# Altium PCB PCB_ovladaci_karta.PcbDoc (part 2 of 4)
Units mm, origin at the board's own origin, x right, y up, seen from the top; angles counter-clockwise.
Board outline 99.2 x 100 mm, 6 copper layers (Top Layer, Inner Layer 2(GND), Inner Layer 3, Inner Layer 4, Inner Layer 5, Bottom Layer 1), stack 1.548 mm thick; 236 components, 248 nets, 895 pads, 601 vias.
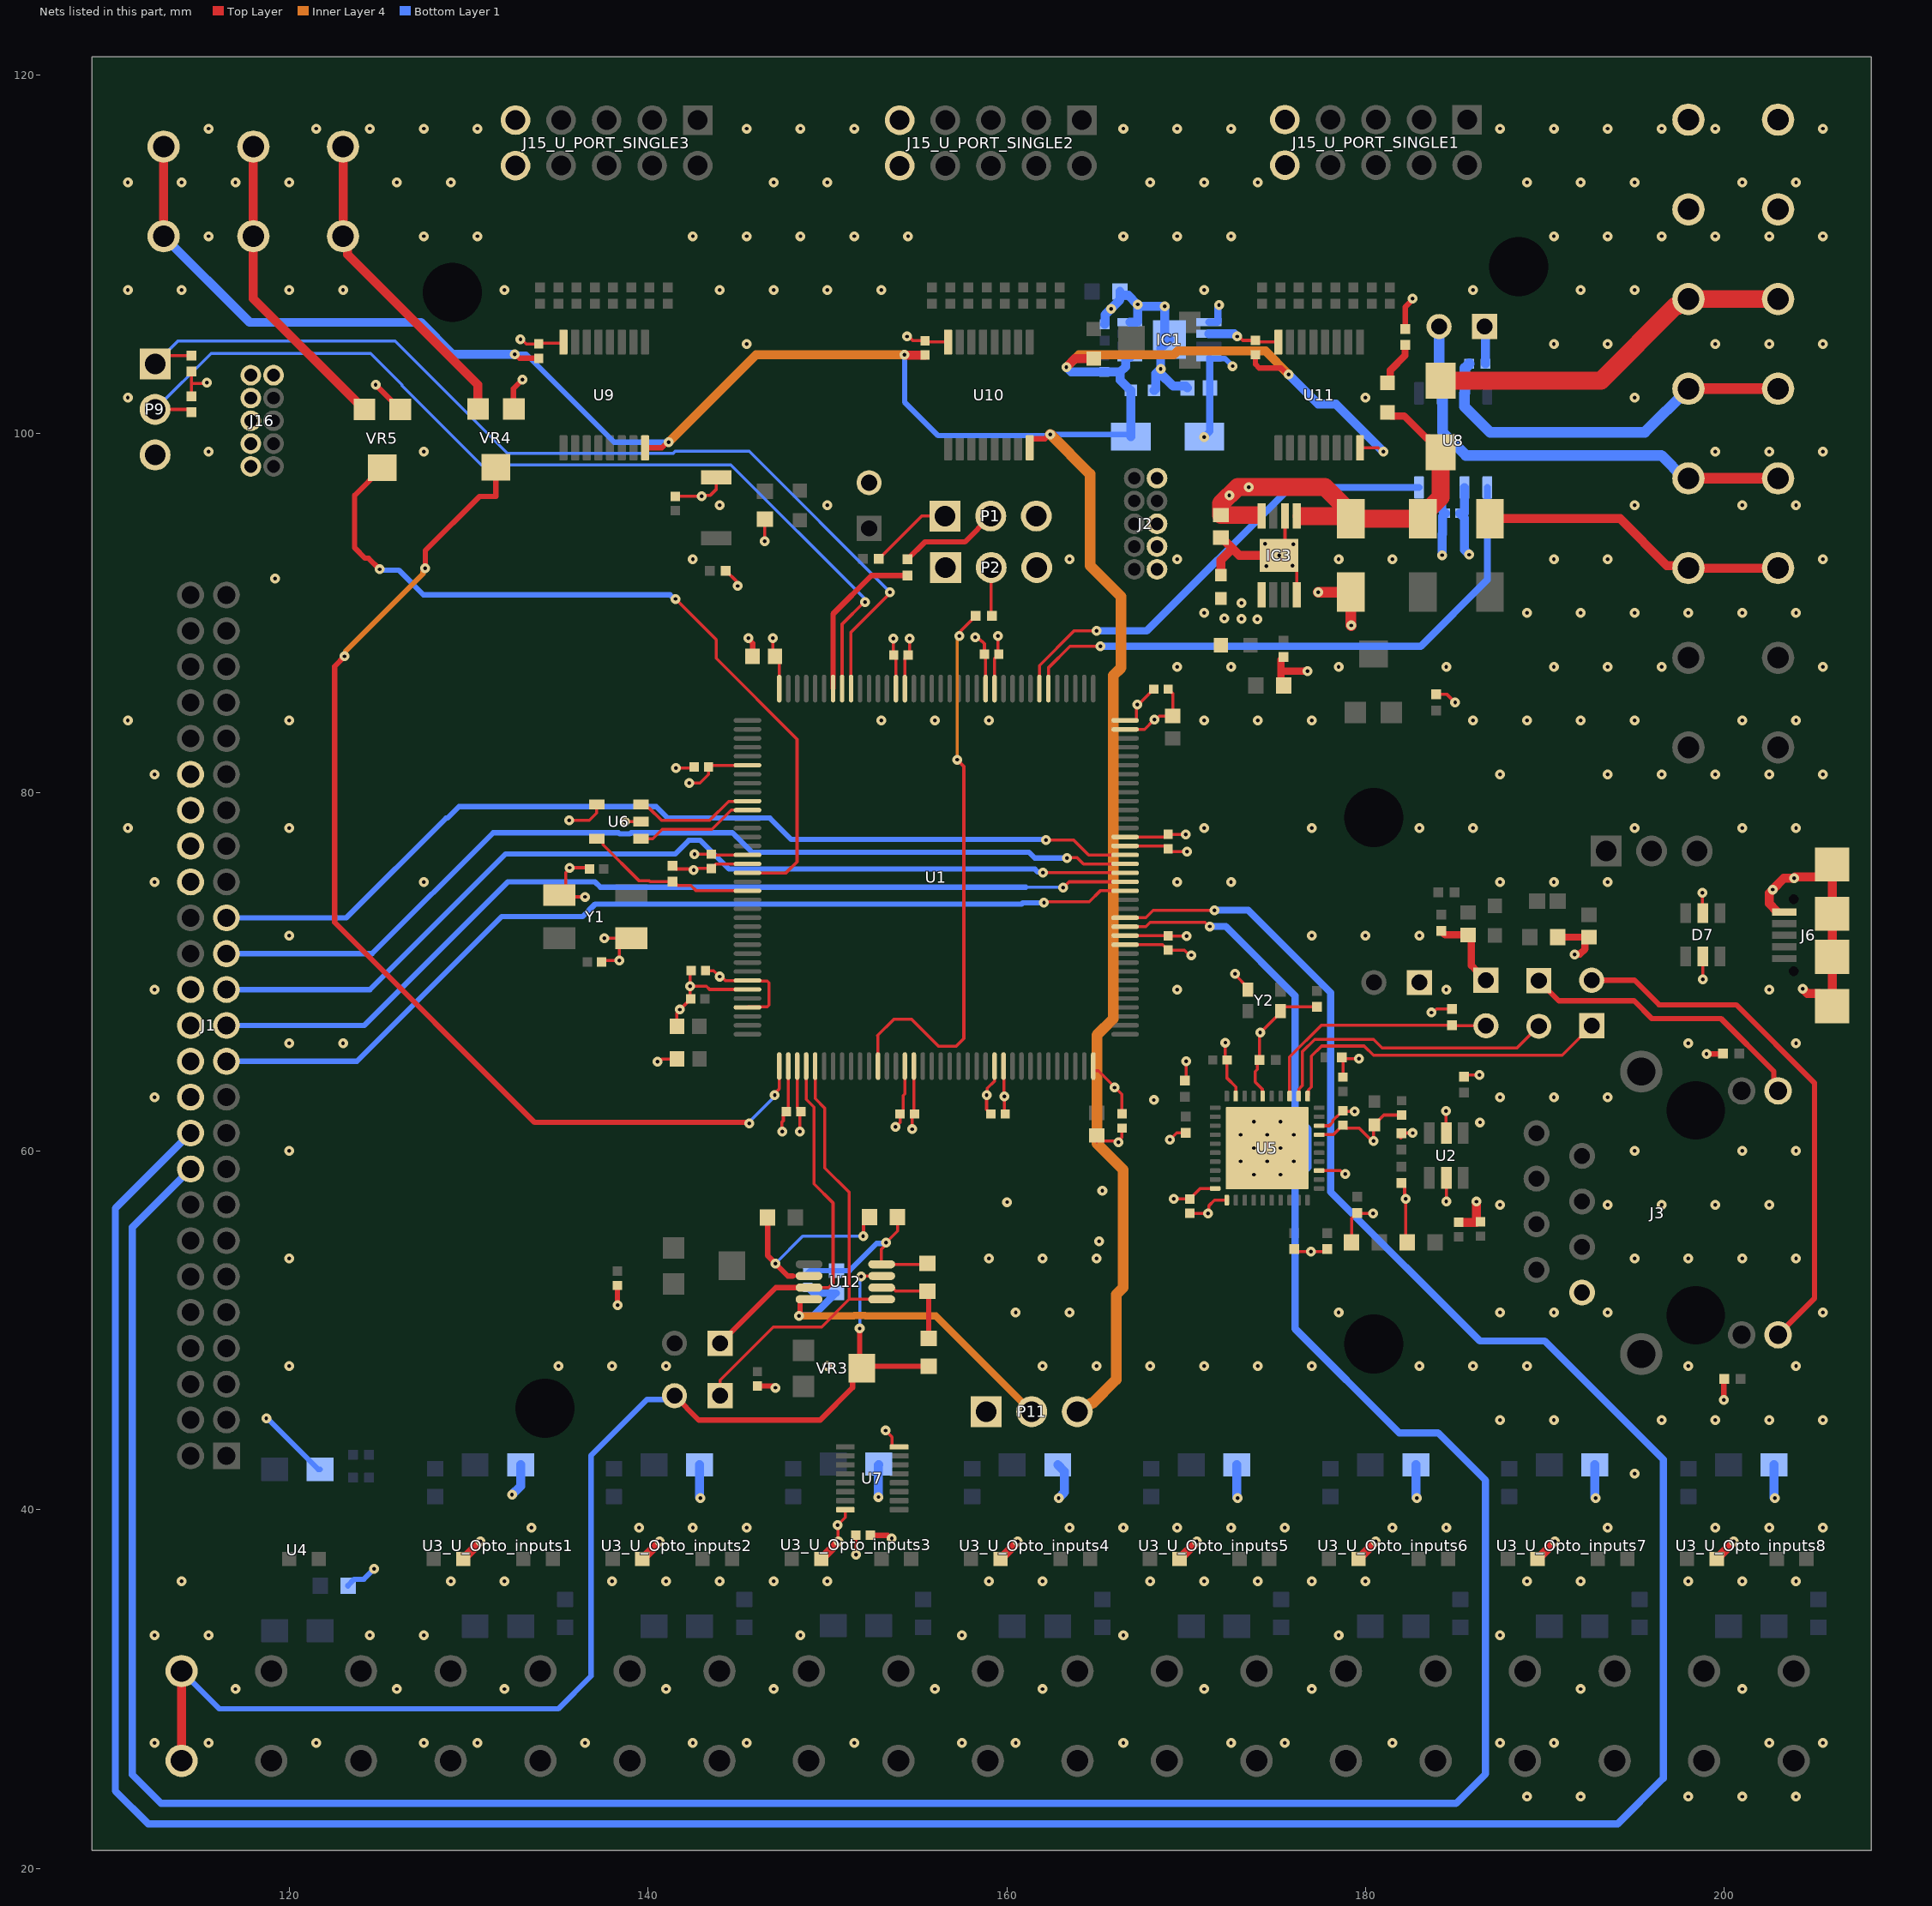
[diagram p6: the nets of this part, all layers, seen from the top]

## Part data
C1 C2: library part "CAP 0402 - 27pF", "Cap Ceramic 0402, 27pF, 25V,10%", Package=0402, PartNumber=C0402C270K3GACTU, Supplier Part Number 1=80-C0402C270K3G, ComponentLink1Description=myLinks, ComponentLink1URL=https://eu.mouser.com/ProductDetail/KEMET/C0402C270K3GACTU?qs=v7s4VpRpa0t5WS52qYyghQ%3D%3D, Supplier 1=Mouser
C3 C42: library part CAP-0603-4.7uF, "General Purpose Ceramic Capacitor, 0603,4.7uF,35V,10%", Package=0603, PartNumber=C1608X5R1V475K080AC, Supplier Part Number 1=810-C1608X5R1V475K, ComponentLink1Description=myLinks, ComponentLink1URL=https://cz.mouser.com/ProductDetail/TDK/C1608X5R1V475K080AC?qs=dfay7wIA1uF9DVjUL4K4oA%3D%3D, Supplier 1=Mouser
C4 C5 C6 C7 C8 C9 C10 C11 C12 C13 C14 C15 C18 C19 C20 C21 C22 C25 C27 C29 C30 C31 C32 C34 C35 C36 C40 C41 C43: library part "CAP 0402 - 100nF", "Cap Ceramic 0402,0.1uF, 25V,10%", Package=0402, PartNumber=C0402C104K3RACTU, Supplier Part Number 1=80-C0402C104K3R, ComponentLink1Description=myLinks, ComponentLink1URL=https://eu.mouser.com/ProductDetail/KEMET/C0402C104K3RACTU?qs=YCcZ0GhAU2q7BaxZ%2FluQHA%3D%3D, Supplier 1=Mouser
C16 C17: library part CAP-0603-2.2uF, "General Purpose Ceramic Capacitor, 0603,2.2uF,35V,10%", Package=0603, PartNumber=C1608JB1V225K080AC, Supplier Part Number 1=810-C1608JB1V225K08C, ComponentLink1Description=myLinks, ComponentLink1URL=https://cz.mouser.com/ProductDetail/TDK/C1608JB1V225K080AC?qs=xLDY6iXSiQbY%2FrhN9AA4AA%3D%3D, Supplier 1=Mouser
C23 C33 C39: library part "CAP 0603 Tantal -10uF", "CAP TANT POLY 10UF 10V 0603 20%", Package=0603, PartNumber=F381A106MMAAH1, Supplier Part Number 1=581-F381A106MMAAH1, ComponentLink1Description=myLinks, ComponentLink1URL=https://cz.mouser.com/ProductDetail/KYOCERA-AVX/F381A106MMAAH1?qs=sGAEpiMZZMtZ1n0r9vR22Q2XOsfGOI9effSA9nDSSSNE17O0WlLegw%3D%3D, Supplier 1=Mouser
C24 C26 C28: library part CAP-0603-1uF, "General Purpose Ceramic Capacitor, 0603,1uF,25V,10%", Package=0603, PartNumber=C1608X7R1E105K080AB, Supplier Part Number 1=810-C1608X7R1E105K, ComponentLink1Description=myLinks, ComponentLink1URL=https://cz.mouser.com/ProductDetail/TDK/C1608X7R1E105K080AB?qs=NRhsANhppD8okfR52aTdVA%3D%3D, Supplier 1=Mouser
C37 C38: library part CAP-0603-2.2uF, "General Purpose Ceramic Capacitor, 0603,2.2uF,35V,10%", Package=0603, PartNumber=C1608JB1V225K080AC, ComponentLink1Description=myLinks, ComponentLink1URL=https://cz.mouser.com/ProductDetail/TDK/C1608JB1V225K080AC?qs=xLDY6iXSiQbY%2FrhN9AA4AA%3D%3D
D1_U_Opto_inputs1 D1_U_Opto_inputs2 D1_U_Opto_inputs3 D1_U_Opto_inputs4 D1_U_Opto_inputs5 D1_U_Opto_inputs6 D1_U_Opto_inputs7 D1_U_Opto_inputs8 D2 D3 D5_U_Opto_inputs1 D5_U_Opto_inputs2 D5_U_Opto_inputs3 D5_U_Opto_inputs4 D5_U_Opto_inputs5 D5_U_Opto_inputs6 D5_U_Opto_inputs7 D5_U_Opto_inputs8 D8 D11 D13: library part "LED - 0603 - RED - 2V2", "LED RED DIFFUSED 0603 SMD", Package=0602, PartNumber=SML-D12U1WT86, Supplier Part Number 1=755-SML-D12U1WT86, ComponentLink1Description=myLinks, ComponentLink1URL=https://cz.mouser.com/ProductDetail/ROHM-Semiconductor/SML-D12U1WT86?qs=M3jcYzEJUdEySuGkbjHEtQ%3D%3D, Supplier 1=Mouser
D4 D9 D10 D12: "Schottky DIODE -  DO-214AC-2 -FW:3A - 380mV, Rev: 40V", Package=DO-214AC-2, PartNumber=SSA34HE3_A/I, Supplier Part Number 1=78-SSA34HE3_A/I, ComponentLink1Description="New link", ComponentLink1URL=https://cz.mouser.com/ProductDetail/Vishay-General-Semiconductor/SSA34HE3_A-I?qs=asPD7ZL2j3VimMFbwwU%2FoA%3D%3D, Supplier 1=Mouser
D6: library part "LED - 0603 - RED - 2V2", "LED RED DIFFUSED 0603 SMD", Package=0602, PartNumber=SML-D12U1WT86, ComponentLink1Description=myLinks, ComponentLink1URL=https://cz.mouser.com/ProductDetail/ROHM-Semiconductor/SML-D12U1WT86?qs=M3jcYzEJUdEySuGkbjHEtQ%3D%3D
D7: "4-line ESD protection", Package=SOT-23-6, PartNumber=ESDA6V1BC6, ComponentLink1Description=myLinks, ComponentLink1URL=https://cz.mouser.com/ProductDetail/STMicroelectronics/ESDA6V1BC6?qs=9PdvrqCL7oAFp2zmpu55Tw%3D%3D
D14: "Diode - 5A shottky Rectifier, Fw: 5A, 0.7V Revers: 30V, DO-221AC-2", Package=DO-221AC-2, PartNumber=SK53AFL-TP, Supplier Part Number 1=833-SK53AFL-TP, ComponentLink1Description=myLinks, ComponentLink1URL=https://cz.mouser.com/ProductDetail/Micro-Commercial-Components-MCC/SK53AFL-TP?qs=sGAEpiMZZMtbRapU8LlZD%252B6h%2FWulpAkrF6E5wLTt2R0xTCwpYWNMog%3D%3D, Supplier 1=Mouser
FB1: library part "Ferrite_bead - 0603 - 100R", "Chip Ferrite Bead, 0603, 100Ω @ 100MHz, 25%, 0.045Ω, 2A", Package=0603, ComponentLink1Description=myLinks, ComponentLink1URL=https://www.mouser.co.uk/ProductDetail/Murata-Electronics/BLM18EG101TN1D?qs=rjbY5pkpCp4yQ17nVbKqBw%3D%3D, PartNumber=BLM18EG101TN1D
IC1 IC3: "Adjustable  LDO - Input: min 2.5V,max 16V. Output: 0.8V  to 14.6V 1A", Package=HVSSOP-8, PartNumber=TLV76701DGNR, Supplier Part Number 1=595-TLV76701DGNR, ComponentLink1Description=myLinks, ComponentLink1URL=https://cz.mouser.com/ProductDetail/Texas-Instruments/TLV76701DGNR?qs=QNEnbhJQKvYlzprjZl22mQ%3D%3D, Supplier 1=Mouser
J1: "Connector - connector - 25x2 - 2x2mm, SAMTEC - right angle", Package="25x2 - 2x2mm -right angle", PartNumber=STMM-125-02-S-D-RA, Supplier Part Number 1=200-STMM12502SDRA, ComponentLink1Description=myLinks, ComponentLink1URL=https://cz.mouser.com/ProductDetail/Samtec/STMM-125-02-S-D-RA?qs=rU5fayqh%252BE3bRISkmlmqKg%3D%3D, Supplier 1=Mouser
J2 J16: library part "Connector - 2x5 -1.27 x 1.27mm", "Connector - 2x5positions -  1.27mm x1.27mm", Package="2x5positions -  1.27mm x1.27mm", PartNumber=FTSH-105-04-F-D, Supplier Part Number 1=200-FTSH10504FDV, ComponentLink1Description=myLinks, ComponentLink1URL=https://cz.mouser.com/ProductDetail/Samtec/FTSH-105-04-F-D?qs=0lQeLiL1qyZx0H067ICkhw%3D%3D, Supplier 1=Mouser
J3: "Connector RJ45 base-100T CAT5/6, with magnetics inside", Package="RJ45 with magnetics", PartNumber=ARJM11D7-009-AB-EW2, Supplier Part Number 1=815-RJM11D7009ABEW2, ComponentLink1Description=myLinks, ComponentLink1URL=https://cz.mouser.com/ProductDetail/ABRACON/ARJM11D7-009-AB-EW2?qs=YCa%2FAAYMW01wgGAVSiGYdQ%3D%3D, Supplier 1=Mouser
J4 J5 J7_U_Opto_inputs1 J7_U_Opto_inputs2 J7_U_Opto_inputs3 J7_U_Opto_inputs4 J7_U_Opto_inputs5 J7_U_Opto_inputs6 J7_U_Opto_inputs7 J7_U_Opto_inputs8 J8_U_Opto_inputs1 J8_U_Opto_inputs2 J8_U_Opto_inputs3 J8_U_Opto_inputs4 J8_U_Opto_inputs5 J8_U_Opto_inputs6 J8_U_Opto_inputs7 J8_U_Opto_inputs8 J9 J10 J11 J12 J13 J14 J17 J18 J19 J20 J21 J22: "Wago connector - PCB to wire - single - 24A 320V", Package=236-401, Supplier Part Number 1=1891620, ComponentLink1Description=myLinks, ComponentLink1URL=https://cz.farnell.com/wago/236-401/terminal-block-wire-to-brd-1pos/dp/1891620?gclid=CjwKCAiAu5agBhBzEiwAdiR5tFj9uwuLgrlShO914YuSUEtsU0o4Hiox7ZjRnpSnFBbtyRYLbKYJWxoC0xgQAvD_BwE&mckv=sEoohdYPd_dc|pcrid|263733373421|kword|+wago%20+236-401|match|b|plid||slid||product||pgrid|56870816529|ptaid|kwd-298399736559|&CMP=KNC-GCZ-GEN-SKU-MDC, PartNumber=236-401, Supplier 1=Farnell
J6: library part "USB-micro connector", "USB Connectors USB jack, 2.0, micro B type, 5 pin, horizontal, gold flash, SMT, TRConnector", Package="USB 2.0 Type B", PartNumber=UJ2-MIBH-G-SMT-TR, ComponentLink1Description=myLinks, ComponentLink1URL=https://cz.mouser.com/ProductDetail/CUI-Devices/UJ2-MIBH-G-SMT-TR?qs=IS%252B4QmGtzzpvS1XQusp0iA%3D%3D
J15_U_PORT_SINGLE1 J15_U_PORT_SINGLE2 J15_U_PORT_SINGLE3: library part "connector - 5x2 -  2.54x2.54mm", "2x5position -  2.54x2.54mm connector", PartNumber=G821EU210AAL10Y, Supplier Part Number 1=523-G821EU210AAL10Y, ComponentLink1Description=myLinks, ComponentLink1URL=https://cz.mouser.com/ProductDetail/Amphenol-Commercial-Products/G821EU210AAL10Y?qs=f9yNj16SXrKgfgt6Mg6Piw%3D%3D, Package="2x5position -  2.54x2.54mm connector", Supplier 1=Mouser
L1: library part "Induct - 0603 -27nH", "Multilayer type RF Inductor 27nH ±5% 0.54Ω 500mA 0603", Package=0603, PartNumber=LQG18HN27NJ00D, Supplier Part Number 1=81-LQG18HN27NJ00D, ComponentLink1Description=myLinks, ComponentLink1URL=https://cz.mouser.com/ProductDetail/Murata-Electronics/LQG18HN27NJ00D?qs=Ak0FrV9sSEhd5kkENoxyIg%3D%3D, Supplier 1=Mouser
P1 P2 P8 P9 P11: library part "Header - 3x1 2.54mm", "Headers & Wire Housings 3P HEADER GOLD 15u single row", PartNumber=5-146280-3, Supplier Part Number 1=571-5-146280-3, ComponentLink1Description=myLinks, ComponentLink1URL=https://cz.mouser.com/ProductDetail/TE-Connectivity/5-146280-3?qs=bwpFY26eRVf7xnwkMZzVxA%3D%3D, Package="3x1 2.54mm", Supplier 1=Mouser
P3 P4 P5 P6 P7 P10 P12 P13: library part "Header - 2x1 2.54mm", "Male Header, Pitch 2.54 mm, 1 x 2 Position, Height 8.21 mm, Tail Length 3.05 mm, -65 to 105 degC, RoHS, Bulk", PartNumber=5-146280-2, Supplier Part Number 1=571-5-146280-2, ComponentLink1Description=myLinks, ComponentLink1URL=https://cz.mouser.com/ProductDetail/TE-Connectivity/5-146280-2?qs=bwpFY26eRVcxHP%252BQexhLNQ%3D%3D, Package="2x1 2.54mm", Supplier 1=Mouser
R1 R2 R3 R4 R18 R32 R33 R51: library part "Resistor - 0402 -10k", "Resistor - 0402 -  10k - 5% - 125mW", Package=0402, PartNumber=RC0402JR-7W10KL, Supplier Part Number 1=603-RC0402JR-7W10KL, ComponentLink1Description=myLinks, ComponentLink1URL=https://cz.mouser.com/ProductDetail/YAGEO/RC0402JR-7W10KL?qs=tggtontpCXPnY%2FhgQXv%2FLg%3D%3D, Supplier 1=Mouser
R5 R15_U_PORT_SINGLE1 R15_U_PORT_SINGLE2 R15_U_PORT_SINGLE3 R16_U_PORT_SINGLE1 R16_U_PORT_SINGLE2 R16_U_PORT_SINGLE3 R17_U_PORT_SINGLE1 R17_U_PORT_SINGLE2 R17_U_PORT_SINGLE3 R23 R24_U_PORT_SINGLE1 R24_U_PORT_SINGLE2 R24_U_PORT_SINGLE3 R26_U_PORT_SINGLE1 R26_U_PORT_SINGLE2 R26_U_PORT_SINGLE3 R37_U_PORT_SINGLE1 R37_U_PORT_SINGLE2 R37_U_PORT_SINGLE3 R39_U_PORT_SINGLE1 R39_U_PORT_SINGLE2 R39_U_PORT_SINGLE3 R40_U_PORT_SINGLE1 R40_U_PORT_SINGLE2 R40_U_PORT_SINGLE3: library part "Resistor - 0402 -270R", "Resistor - 0402 - 270R - 1% - 125mW", Package=0402, PartNumber=CRGP0402F270R, Supplier Part Number 1=279-CRGP0402F270R, ComponentLink1Description=myLinks, ComponentLink1URL=https://cz.mouser.com/ProductDetail/TE-Connectivity-Holsworthy/CRGP0402F270R?qs=wUXugUrL1qyX8E%252BNg7WV%252Bg%3D%3D, Supplier 1=Mouser
R6_U_Opto_inputs1 R6_U_Opto_inputs2 R6_U_Opto_inputs3 R6_U_Opto_inputs4 R6_U_Opto_inputs5 R6_U_Opto_inputs6 R6_U_Opto_inputs7 R6_U_Opto_inputs8 R9 R11_U_Opto_inputs1 R11_U_Opto_inputs2 R11_U_Opto_inputs3 R11_U_Opto_inputs4 R11_U_Opto_inputs5 R11_U_Opto_inputs6 R11_U_Opto_inputs7 R11_U_Opto_inputs8 R13 R34 R41 R44: library part "RESISTOR - 0603 - 1k", "Resistor 0603 1KR 100mW 1%", Package=0603, PartNumber=RT0603FRE071KL, Supplier Part Number 1=603-RT0603FRE071KL, ComponentLink1Description=myLinks, ComponentLink1URL=https://cz.mouser.com/ProductDetail/YAGEO/RT0603FRE071KL?qs=8cPjvKtxWv68ZVEzoi6JxQ%3D%3D, Supplier 1=Mouser
R7 R8: library part "Resistor - 0402 - 1k5", "Resistor - 0402 - 1k5 - 1% - 100mW", Package=0402, PartNumber=ERJ-2RKF1501X, Supplier Part Number 1=667-ERJ-2RKF1501X, ComponentLink1Description=myLinks, ComponentLink1URL=https://cz.mouser.com/ProductDetail/Panasonic/ERJ-2RKF1501X?qs=sGAEpiMZZMtG0KNrPCHnjTg0x5DoQJ5PTwSSYoQ29R0%3D, Supplier 1=Mouser
R10: library part "Resistor - 0402 -120R", "Resistor - 0402 -  120R - 1% - 100mW", Package=0402, PartNumber=ERJ-S02F1200X, Supplier Part Number 1=667-ERJ-S02F1200X, ComponentLink1Description=myLinks, ComponentLink1URL=https://cz.mouser.com/ProductDetail/Panasonic/ERJ-S02F1200X?qs=Zyl8A9hlmJqrTWz%252BBOpJnw%3D%3D, Supplier 1=Mouser
R12: library part "Resistor - 0402 - 16k", "Resistor - 0402 -  16k - 1% - 100mW", Package=0402, PartNumber=ERJ-2RKF1602X, Supplier Part Number 1=667-ERJ-2RKF1602X, ComponentLink1Description=myLinks, ComponentLink1URL=https://cz.mouser.com/ProductDetail/Panasonic/ERJ-2RKF1602X?qs=MVjVSMjNRMp9pwpCSUWuGw%3D%3D, Supplier 1=Mouser
R14 R45: library part "Resistor - 0402 - 4.7k", "Resistor - 0402 -  4.7k - 1% - 100mW", Package=0402, PartNumber=ERJ-2RKF4701X, Supplier Part Number 1=667-ERJ-2RKF4701X, ComponentLink1Description=myLinks, ComponentLink1URL=https://cz.mouser.com/ProductDetail/Panasonic/ERJ-2RKF4701X?qs=H7k1u0Mp9JQWpspavPhQZA%3D%3D, Supplier 1=Mouser
R19 R20 R21 R22: library part "Resistor - 0402 - 49.9R", "Resistor - 0402 -  49.9R - 1% - 100mW", Package=0402, PartNumber=ERJ-2RKF49R9X, Supplier Part Number 1=667-ERJ-2RKF49R9X, ComponentLink1Description=myLinks, ComponentLink1URL=https://cz.mouser.com/ProductDetail/Panasonic/ERJ-2RKF49R9X?qs=sGAEpiMZZMtG0KNrPCHnjWXb3yLuGJ27UdsBFBOB8ls%3D, Supplier 1=Mouser
R25 R27 R28 R31: library part "Resistor - 0402 - 2k2", "Resistor - 0402 - 2k2 - 1% - 200mW", Package=0402, PartNumber=ERJ-PA2F2201X, Supplier Part Number 1=667-ERJ-PA2F2201X, ComponentLink1Description=myLinks, ComponentLink1URL=https://cz.mouser.com/ProductDetail/Panasonic/ERJ-PA2F2201X?qs=sGAEpiMZZMtG0KNrPCHnjZ6x%2FURjllozzwNvbZVeFeMwGqzVywslMw%3D%3D, Supplier 1=Mouser
R29: library part "Resistor - 0402 - 1k5", "Resistor - 0402 - 1k5 - 1% - 100mW", Package=0402, PartNumber=ERJ2RKF6800X, Supplier Part Number 1=667-ERJ-2RKF6800X, ComponentLink1Description=myLinks, ComponentLink1URL=https://cz.mouser.com/ProductDetail/Panasonic/ERJ-2RKF1501X?qs=sGAEpiMZZMtG0KNrPCHnjTg0x5DoQJ5PTwSSYoQ29R0%3D, Supplier 1=Mouser
R30 R36 R42: library part "Resistor - 0402 - 4.87k", "Resistor - 0402 -  4.87k - 1% - 100mW", Package=0402, PartNumber=ERJ-2RKF4871X, Supplier Part Number 1=667-ERJ-2RKF4871X, ComponentLink1Description=myLinks, ComponentLink1URL=https://cz.mouser.com/ProductDetail/Panasonic/ERJ-2RKF4871X?qs=YMBIwoNQYdV9ZzOLxQ6NUw%3D%3D, Supplier 1=Mouser
R35: library part "Resistor - 0402 - 4.87k", "Resistor - 0402 -  4.87k - 1% - 100mW", Package=0402, PartNumber=ERJ-2RKF4871X, ComponentLink1Description=myLinks, ComponentLink1URL=https://cz.mouser.com/ProductDetail/Panasonic/ERJ-2RKF4871X?qs=YMBIwoNQYdV9ZzOLxQ6NUw%3D%3D
R38: library part "Resistor - 0402 -10k", "Resistor - 0402 -  10k - 5% - 125mW", Package=0402, PartNumber=RC0402JR-7W10KL, ComponentLink1Description=myLinks, ComponentLink1URL=https://cz.mouser.com/ProductDetail/YAGEO/RC0402JR-7W10KL?qs=tggtontpCXPnY%2FhgQXv%2FLg%3D%3D
R43: library part "Resistor - 0402 - 27k", "Resistor - 0402 - 27k - 1% - 100mW", Package=0402, PartNumber=ERJ-H2RD2702X, Supplier Part Number 1=667-ERJ-H2RD2702X, ComponentLink1Description=myLinks, ComponentLink1URL=https://cz.mouser.com/ProductDetail/Panasonic/ERJ-H2RD2702X?qs=eP2BKZSCXI50Sdsvimutzw%3D%3D, Supplier 1=Mouser
R46 R47 R48 R49 R50 R52: library part "RESISTOR - 0603 - 0R", "Resistor 0603 0R", Package=0603, PartNumber=ERJ-3GEY0R00V, Supplier Part Number 1=667-ERJ-3GEY0R00V, ComponentLink1Description=myLinks, ComponentLink1URL=https://cz.mouser.com/ProductDetail/Panasonic/ERJ-3GEY0R00V?qs=66DK8nO8gJALIOqOWgiVwg%3D%3D, Supplier 1=Mouser
S1: library part "Button - smd -2 poles", "Push button - 2poles,  L:2.5mm, W:3mm, H:1.2mm, 12VDC - 50mA", Package="L:2.5mm, W:3mm, H:1.2mm", PartNumber=B3U-1000P, Supplier Part Number 1=653-B3U-1000P, ComponentLink1Description=myLinks, ComponentLink1URL=https://www.mouser.co.uk/ProductDetail/Omron-Electronics/B3U-1000P?qs=AO7BQMcsEu4ip80xyf2FwA%3D%3D, Supplier 1=Mouser
U1: "ARM Cortex-M4 32-bit MCU+FPU, 210 DMIPS, 1024 kB Flash, 192 kB Internal RAM, 114 I/Os, 144-pin LQFP, -40 to 85 degC, Tray", Package=LQFP144, Supplier Part Number 1=511-STM32F407ZGT6, ComponentLink1Description=myLinks, ComponentLink1URL=https://cz.mouser.com/ProductDetail/STMicroelectronics/STM32F407ZGT6?qs=Z8%252BeY1k3TIKo142SZNWnSQ%3D%3D, PartNumber=STM32F407ZGT6, Supplier 1=Mouser
U2: "ESD Suppressors / TVS Diodes Low Cap ESD Protect -  Working VOltage 5.25V, Br: 6V, Clamp 17V", Package=SOT-23-6, PartNumber=USBLC6-4SC6, Supplier Part Number 1=511-USBLC6-4SC6, ComponentLink1Description=myLinks, ComponentLink1URL=https://cz.mouser.com/ProductDetail/STMicroelectronics/USBLC6-4SC6?qs=k9dH%2Fx4GHJCNdehb8zInZg%3D%3D, Supplier 1=Mouser
U3_U_Opto_inputs1 U3_U_Opto_inputs2 U3_U_Opto_inputs3 U3_U_Opto_inputs4 U3_U_Opto_inputs5 U3_U_Opto_inputs6 U3_U_Opto_inputs7 U3_U_Opto_inputs8 U4: library part "OPTO - 50mA - 80V", "Photocoupler, 50 mA, -30 to 110 degC, 4-Pin SMD, RoHS, Tape and Reel", Package="PDIP-4 Gull Wing", Supplier Part Number 1=859-LTV-816S-TA1, ComponentLink1Description=myLinks, ComponentLink1URL=https://cz.mouser.com/ProductDetail/Lite-On/LTV-816S-TA1?qs=gnaPJ2cis715Sm%2FgFsy6%2FQ%3D%3D, PartNumber=LTV-816S-TA1, Supplier 1=Mouser
U5: library part LAN-DP83848JSQ/NOPB, "PHYTER® Mini LS Commercial Temperature Single Port 10/100 Mb/s Ethernet Transceiver, 40-pin LLP, Pb-Free, 250 Reel", Package=WQFN-40, Supplier Part Number 1=926-DP83848JSQ/NOPB, ComponentLink1Description=myLinks, ComponentLink1URL=https://cz.mouser.com/ProductDetail/Texas-Instruments/DP83848JSQ-NOPB?qs=7X5t%252BdzoRHAkvw41SeKPjQ%3D%3D, PartNumber=DP83848JSQ/NOPB, Supplier 1=Mouser
U6: library part MAC_EEPROM_I2C, "2-Kbit (256 x 8), 2-wire Serial EEPROM with a Factory-Programmed EUI-64(TM)Address Plus an Embedded Unique 128-bit Serial Number, 1.7 to 5.5 V, -40 to 85 degC, 5-Pin SOT23 (5TS1), Tape and Reel", Package=SOT-23-5, PartNumber=AT24MAC602-STUM-T, Supplier Part Number 1=556-AT24MAC602-STUMT, ComponentLink1Description=myLinks, ComponentLink1URL=https://cz.mouser.com/ProductDetail/Microchip-Technology-Atmel/AT24MAC602-STUM-T?qs=s44pgLhgXQiuNdSpdYyLLA%3D%3D, Supplier 1=Mouser
U7: "Multiplexer Switch ICs Automotive 5-V, 8:1, 1-channel multiplexer with injection current control and 1.8V logic 16-SOT-23-THN -40 to 125", Package=SOT-23-THIN-16, PartNumber=TMUX1308QDYYRQ1, Supplier Part Number 1=595-TMUX1308QDYYRQ1, ComponentLink1Description=myLinks, ComponentLink1URL=https://cz.mouser.com/ProductDetail/Texas-Instruments/TMUX1308QDYYRQ1?qs=xZ%2FP%252Ba9zWqaqz9D2kpWQ%2FA%3D%3D, Supplier 1=Mouser
U8: library part "CAN - PHY - SN65HVD232D", "3.3 V CAN Transceiver, 17 mA, -40 to 85 degC, 8-pin SOIC (D), Green (RoHS & no Sb/Br)", Package=SOIC-8, Supplier Part Number 1=595-SN65HVD232D, ComponentLink1Description=myLinks, ComponentLink1URL=https://eu.mouser.com/ProductDetail/Texas-Instruments/SN65HVD232D?qs=QViXGNcIEAueLIS9b8IyYg%3D%3D, PartNumber=SN65HVD232D, Supplier 1=Mouser
U9 U10 U11: "8-Bit Shift Registers With 3-State Output Registers, PW0016A, LARGE T&R", Package=TSSOP-16, PartNumber=SN74AHCT595PWR, Supplier Part Number 1=595-SN74AHCT595PWR, ComponentLink1Description=myLinks, ComponentLink1URL=https://cz.mouser.com/ProductDetail/?qs=spW5eSrOWB5KP%2FLOxGLzFA%3D%3D, Supplier 1=Mouser
U12: library part "OPAMP - 2CH AD8532ARMZ-REEL", "Double Channel Rail-to-Rail Operational Amplifier, 3 MHz BW, 5 V/us SR, Industrial, 8-pin SOP (RM-8), Reel", Package=MSOP-8, Supplier Part Number 1=584-AD8532ARMZ-R, ComponentLink1Description=myLinks, ComponentLink1URL=https://cz.mouser.com/ProductDetail/Analog-Devices/AD8532ARMZ-REEL?qs=%2FtpEQrCGXCwVVXkbCBPc6A%3D%3D, PartNumber=AD8532ARMZ-REEL, Supplier 1=Mouser
VR1 VR3: library part "TRIMMER - 1k -100mW", "Variable Resistor Trimmer - 1k - 25% -100mW - single turn", Package="3mm SMD TRIMPOT", PartNumber=TC33X-2-102E, Supplier Part Number 1=652-TC33X-2-102E, ComponentLink1Description=myLinks, ComponentLink1URL=https://cz.mouser.com/ProductDetail/Bourns/TC33X-2-102E?qs=2hAPiALdQ0nRULMRC6GCtg%3D%3D, Supplier 1=Mouser
VR2 VR6: library part "TRIMMER - 5k -100mW", "Variable Resistor Trimmer - 5k - 25% -100mW - single turn", Package="3mm SMD TRIMPOT", PartNumber=TC33X-2-502E, Supplier Part Number 1=652-TC33X-2-502E, ComponentLink1Description=myLinks, ComponentLink1URL=https://cz.mouser.com/ProductDetail/Bourns/TC33X-2-502E?qs=r%252B5EJQndA0pTgyiJsDuA%252BA%3D%3D, Supplier 1=Mouser
VR4 VR5: library part "TRIMMER - 50k -100mW", "Variable Resistor Trimmer - 50k - 25% -100mW - single turn", Package="3mm SMD TRIMPOT", PartNumber=TC33X-2-102E, Supplier Part Number 1=652-TC33X-2-102E, ComponentLink1Description=myLinks, ComponentLink1URL=https://cz.mouser.com/ProductDetail/Bourns/TC33X-2-503E?qs=tEaODSGlU8NgxHjveDtEEg%3D%3D, Supplier 1=Mouser
Y1: library part 8MHz-Osc, "Crystal 8MHz ±10ppm CL=18pF SMD-4 5mm x 3.2mm", Package="SMD 4pin OSC", PartNumber=ABM3B-8.000MHZ-D2-T, Supplier Part Number 1=815-ABM3B8000MHZD2T, ComponentLink1Description=myLinks, ComponentLink1URL=https://cz.mouser.com/ProductDetail/ABRACON/ABM3B-8.000MHZ-D2-T?qs=icabnvfcbsHVTU9nAlXQRw%3D%3D, Supplier 1=Mouser
Y2: "Oscilator - 50MHz - 30ppm - 15pF - 1.71 - 3.63V", Package=2x1.6mm, PartNumber=KC2016Z50.0000C15XXK, Supplier Part Number 1=346-KC2016Z50.0000C1, ComponentLink1Description=myLinks, ComponentLink1URL=https://cz.mouser.com/ProductDetail/KYOCERA-AVX/KC2016Z50.0000C15XXK?qs=sGAEpiMZZMtldj7qu1ydrbV2KlGvrVWI6qQFSeMxWJ%252BAw5U4y9rW5g%3D%3D, Supplier 1=Mouser

## Free pads (board coordinates)
  round 0 hole 3.3 unplated: 9(129.083,107.874) 9(134.264,45.644) 9(180.467,49.249) 9(180.467,78.588) 9(188.544,109.296)

## Via types
v1: diameter 0.55, hole 0.21, Top Layer to Bottom Layer 1, tented both sides, 589 vias
v2: diameter 0.5, hole 0.2, Top Layer to Bottom Layer 1, 12 vias
